# Allegro board RK3588S_Tablet_Demo_LP4XD200P232SD10H2_V11_20220218.brd (continued)
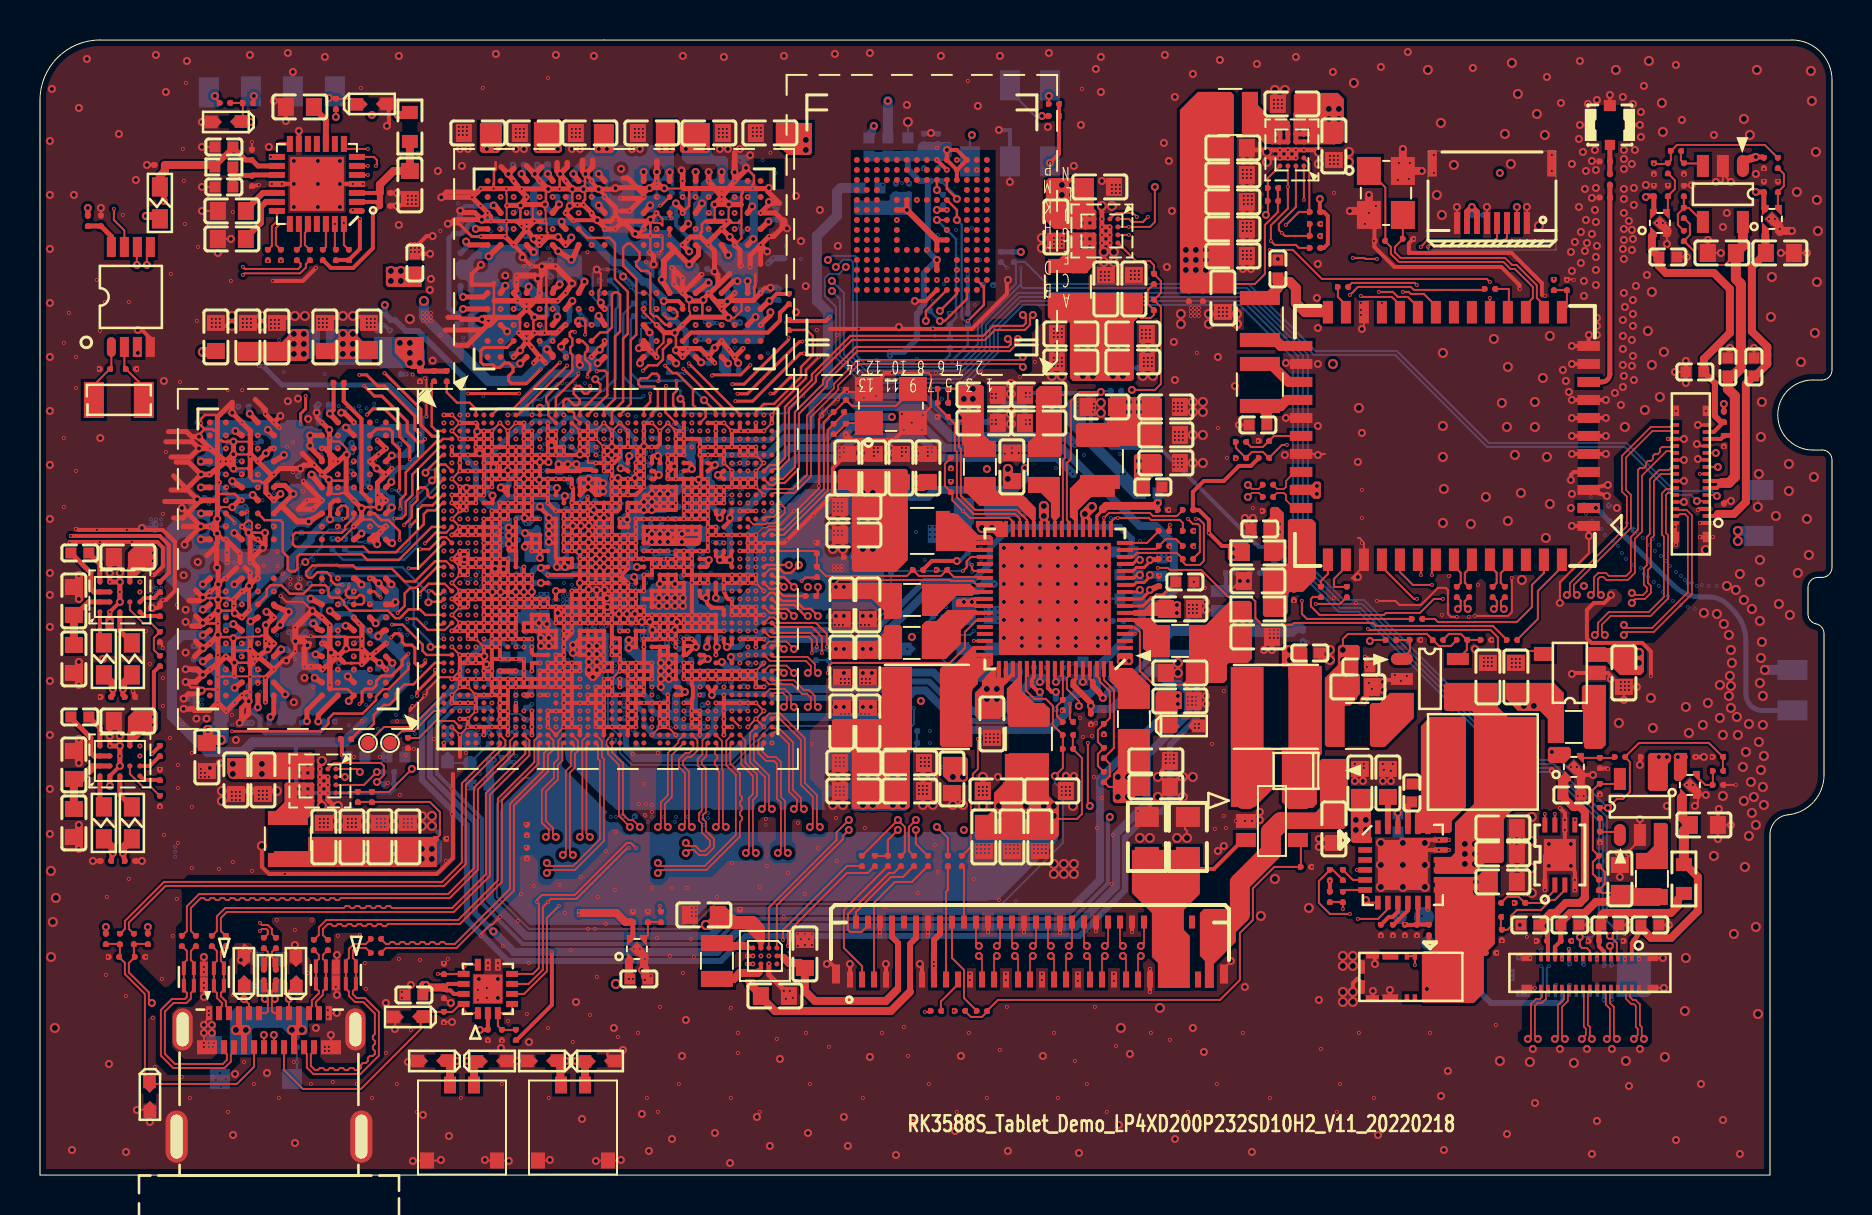
[diagram p0: board, top side]
## Routing (per net, layer and track width the routed paths; a pad name or vN(x,y) marks a point on that pad's centre or on a via; arc(x,y) is an arc through that point) (continued)
VSEL4: length 27.1
  S03 w0.075: 42.04,26.65 36.17,26.65 36.12,26.7 36.12,26.7 36.01,26.8 34.99,26.8 v1(34.19,27.6)
  S03 w0.1: v1(57.69,31.4) 57.69,31.22 56.12,29.65 54.49,29.65 54.04,29.2 47.99,29.2 47.84,29.05 47.84,28.46 47.44,28.06 46.94,27.56 46.94,27.4 46.94,27.4 46.94,26.56 46.74,26.35 42.88,26.35 42.64,26.35 42.34,26.65 42.04,26.65
VSEL5: length 20.9
  TOP w0.1: v1(51.49,23.55) 51.49,22.8 R2242.1
  S03 w0.075: v1(34.99,27.2) 35.24,26.95 36.08,26.95 36.18,26.85 42.41,26.85 42.41,26.85 42.49,26.85 42.69,27.05
  S03 w0.1: v2(45.89,24.55) 45.89,24.3 46.89,23.3 51.24,23.3 v1(51.49,23.55) ; v2(45.89,26.7) 45.34,27.25 42.89,27.25 42.69,27.05
  S06 w0.1: v2(45.89,24.55) v2(45.89,26.7)
VSEL6: length 47.9
  TOP w0.1: v1(63.19,48.75) U2301.A1 ; v1(39.09,26.1) 39.09,26.91 38.6,27.4 36.79,27.4 U1000.AG42
  S03 w0.09: v1(39.09,26.1) 39.42,25.78 41.82,25.78
  S03 w0.1: 41.82,25.78 41.83,25.78 42.54,25.78 42.72,25.95 46.9,25.95 47.34,26.39 47.34,27.4 47.84,27.9 47.84,27.9 48.05,28.1 53.86,28.1 54.46,28.7 55.74,28.7 56.29,29.25 58.94,31.91 58.94,33.55 61.05,35.65 62.39,35.65 63.29,36.56 63.29,48.65 v1(63.19,48.75)
WIFI_REG_ON: length 1.9
  TOP w0.1: U6300.15 73.44,43.19 73.44,44.3 R6316.2
WIFI_REG_ON_H: length 56.8
  TOP w0.1: v1(65.49,44) 65.59,44.1 65.61,44.1 65.69,44.19 65.69,44.2 65.89,44.4 68.54,44.4 68.69,44.25 72.19,44.25 R6316.1
  S03 w0.075: v1(35.79,26) 36.04,25.75 36.04,25.04 37.13,23.95 37.44,23.95
  S03 w0.1: v1(65.49,44) 65.54,43.95 65.54,34.9 65.74,34.7 65.74,30.6 65.54,30.4 65.54,28.39 63.8,26.65 57.04,26.65 53.89,23.5 52.99,23.5 52.69,23.8 49.48,23.8 48.38,24.9 44.24,24.9 43.59,24.25 42.19,24.25 41.89,23.95 37.44,23.95
WIFI_WAKE_HOST_H: length 50.6
  TOP w0.1: U6300.16 v1(72.49,43.85) ; v1(61.49,46.25) 62.64,46.25 64.09,44.8 72.34,44.8 v1(72.49,44.65)
  S03 w0.075: 36.64,31.75 36.48,31.75 36.38,31.65 36.31,31.65 36.31,31.65 36.21,31.65 36.02,31.46 35.98,31.46 35.82,31.3 35.82,31.3 35.77,31.25 35.44,31.25 v1(34.99,30.8)
  S03 w0.1: 36.64,31.75 37.91,31.75 38.21,32.05 41.94,32.05 45.84,35.95 53.36,35.95 53.76,36.35 59.29,36.35 61.04,38.11 61.04,45.8 v1(61.49,46.25) ; v1(72.49,43.85) v1(72.49,44.65)
XIN: length 13.1
  TOP w0.1: Y1100.3 42.79,38.45 40.61,38.45 ; 40.61,38.45 C1112.1 ; 40.61,38.45 40.6,38.45 40.3,38.75 39.7,38.15 R1102.2 39.18,37.64 39.18,36.76 39.19,36.75 39.19,34.3 37.18,32.28 36.48,32.28 36.2,32 U1000.T41
XIN_WIFI: length 11.3
  TOP w0.1: U6300.13 75.19,43.5 74.84,43.85 74.84,44.49 73.83,45.5 73.61,45.5 73.26,45.85 68.03,45.85 67.74,46.14 67.74,46.4 C6314.1 Y6300.3
XOUT: length 8
  TOP w0.1: R1102.1 40.19,38.06 R1100.2 39.38,37.25 39.38,36.85 39.39,36.84 39.39,34.21 37.18,32 U1000.T42
XOUT_WIFI: length 13.8
  TOP w0.1: Y6300.1 67.27,49.38 67.27,46.73 C6315.1 67.54,46.4 67.54,46.05 67.94,45.65 73.17,45.65 73.52,45.3 73.74,45.3 74.64,44.4 74.64,43.85 74.29,43.5 U6300.14
N25387558: length 1.5
  TOP w0.25: C6303.1 C6300.1 J9.1
N25387568: length 10.8
  TOP w0.25: U6300.9 78.09,39.65 arc(78.38,39.77) 78.49,40.05 C6306.1 C6303.2
N25387586: length 2.4
  TOP w0.5: U6300.28 62.43,39.65 61.53,40.55 L6301.1
N25387590: length 3.6
  TOP w0.5: 61.34,38.44 62.03,38.44 62.34,38.75 U6300.29 ; 61.34,38.44 60.99,38.44 ; 61.34,38.44 61.34,38.1 ; 61.34,38.1 C6320.1 ; 61.34,38.1 L6301.2
N25387712: length 14.5
  BOTTOM w0.25: 79.28,31.88 C6304.1 ; 79.28,31.88 79.3,31.86 81.7,29.46 arc(82.32,29.05) 83.04,28.9 83.44,28.9 arc(83.95,28.8) 84.38,28.51 84.66,28.24 arc(85.13,27.53) 85.29,26.7 85.29,24.05 arc(85.54,23.47) 86.12,23.23 J12.1 ; 79.28,31.88 C6301.1
N25387764: length 1.4
  TOP w0.25: v5(77.79,33.35) U6300.2
  BOTTOM w0.25: C6304.2 78.08,33.08 C6307.1 78.03,33.11 v5(77.79,33.35)
N25388000: length 2.2
  TOP w0.5: U6300.26 62.03,41.45 61.73,41.75 L6300.2
N25388004: length 5.3
  TOP w0.5: L6300.1 61.39,43.85 61.89,44.35 C6313.1 62.09,44.65 62.49,44.65 62.79,44.35 62.79,43.6 63.26,43.14 U6300.25
N26121442: length 2.4
  TOP w0.1: R4638.2 87.19,50.05 87.19,49.45 C4626.1 86.89,48.28 86.92,48.25
N26121973: length 2.4
  TOP w0.1: 81.32,48.05 81.39,48.13 C4627.1 81.74,49.3 81.74,49.73 R4639.2
N26122105: length 3.2
  TOP w0.1: R4651.1 R4645.2 ; R4645.2 82.44,48.35 U4602.4 ; R4645.2 81.89,48.05 81.89,47.5 C4629.2
N26122217: length 1.8
  TOP w0.1: R4644.2 82.04,50.73 C4631.1 82.2,50.58 83.14,50.58 U4602.3
N26125088: length 1.7
  TOP w0.1: R4733.2 78.69,20.85 C4724.1 77.02,20.85 U4700.N3
N26125215: length 6.5
  TOP w0.1: R4735.1 77.64,15.05 77.64,15.65 C4721.2 77.64,16.25 77.64,19.25 77.94,19.55 R4736.1 78.74,19.55 U4701.5
N26125229: length 1.6
  TOP w0.5: L4700.1 80.69,15.8 80.84,15.8 80.99,15.95 U4701.3
N26125328: length 1.8
  TOP w0.1: U4701.1 78.84,17.15 C4725.1 R4734.2
N26125462: length 1.7
  TOP w0.1: 82.82,19.95 83.27,19.5 C4731.1 R4740.2
N26153142: length 1.6
  TOP w0.1: v5(14.44,53.85) 14.49,53.8 R9205.2 15.69,53.8 D9202.1
N26273886: length 0.5
  TOP w0.1: R9200.2 8.74,53.85 v5(8.74,53.95)
N27010371: length 1.1
  S03 w0.2: v2(46.84,44.5) v1(46.84,45.25)
  S08 w0.2: v3(47.14,44.5) v2(46.84,44.5)
N27010421: length 6.9
  TOP w0.1: U4000.H5 v5(44.84,47.75)
  BOTTOM w0.122: v5(44.84,47.75) 45.81,46.79 45.81,42.86 R4006.1 R4005.2
N28612539: length 5.8
  BOTTOM w0.2: 75.84,8.6 75.99,8.6 76.12,8.73 J7014.4
  BOTTOM w0.3: 75.84,8.6 72.54,8.6 C7022.1 71.89,9.2 R7012.2
N28612838: length 3.2
  TOP w0.25: U7000.17 10.64,50 C7003.1 10.57,49.98 9.64,49.98
  TOP w0.4: R7000.2 C7004.1
N28612860: length 1.5
  TOP w0.1: U7000.24 13.39,47.25 13.24,47.1 13.24,46.5 C7009.1
N28612862: length 2
  TOP w0.1: C7011.1 11.79,46.5 11.79,47.35 11.99,47.55 U7000.22
N28612867: length 2.1
  TOP w0.1: C7012.1 11.59,46.45 11.59,47.44 11.84,47.69 U7000.21
N28612875: length 2
  TOP w0.3: U7000.19 11.14,49.1 10.29,48.25 C7014.1
N28612877: length 2.1
  TOP w0.3: C7015.1 13.69,53.35 14.29,52.75 U7000.10
N28612881: length 2.8
  TOP w0.3: U7000.20 11.29,48.65 11.04,48.4 11.04,47.6 10.29,46.85 C7013.1
N28613427: length 1.4
  TOP w0.1: U7000.23 12.94,47.3 13.04,47.2 13.04,46.45 C7010.1
N29482643: length 0.8
  S03 w0.064: v1(30.81,43.34) 30.79,43.34 30.76,43.3 30.75,43.3 v2(30.49,43.04)
  S08 w0.066: v2(30.49,43.04) 30.44,43 v3(30.18,43)
N29482645: length 0.8
  S03 w0.064: v1(30.79,44.08) 30.78,44.07 30.78,44.05 30.58,43.86 v2(30.58,43.86)
  S08 w0.066: v3(30.26,43.54) v2(30.58,43.86)
N29482655: length 6.3
  TOP w0.203: R3803.1 37.01,43.12 36.99,43.12 36.99,42.72 36.4,42.13 32.55,42.13 U3801.T2
N29482661: length 1
  TOP w0.279: U3801.G2 26.05,41.48 v5(26.05,41.42)
  BOTTOM w0.254: v5(26.05,41.42) 26.05,41.39 26.05,41.32 26.32,41.06 R3802.2
N29482667: length 1.9
  TOP w0.254: U3801.A5 22.18,43.9 v5(21.16,43.9)
  BOTTOM w0.254: v5(21.16,43.9) 21.03,44.03 R3805.2
N29482669: length 1.8
  TOP w0.254: U3801.A8 21.48,46.5 21.31,46.67 v5(21.31,46.67)
  BOTTOM w0.254: R3807.2 21.31,46.36 v5(21.31,46.67)
N29584131: length 1
  S03 w0.064: v2(14.55,29.13) 14.62,29.2 14.84,29.2 v1(14.87,29.23)
  S08 w0.066: v3(14.14,29.56) 14.55,29.16 v2(14.55,29.13)
N29584146: length 0.8
  S03 w0.064: v1(14.09,29.18) 13.94,29.33 v2(13.73,29.33)
  S08 w0.066: v3(13.48,29.56) 13.5,29.56 v2(13.73,29.33)
N29591638: length 4.3
  TOP w0.1: R5517.2 43.14,14.9 42.55,14.9 40.8,13.15 40.8,12.65
N29591655: length 7
  TOP w0.1: J5500.3 41.1,10.44 40.19,11.35 40.19,13.25 R5515.2
N29591672: length 5.8
  TOP w0.1: 41.4,12.65 41.4,12.48 41.08,12.15 40.49,12.15 40.39,12.25 40.39,13.04 42.45,15.1 42.69,15.1 R5516.2
N29591677: length 7.3
  TOP w0.1: J5500.5 41.7,13.61 42.75,14.65 43.59,14.65 R5518.2
N29592152: length 5.7
  TOP w0.1: R5512.2 45.39,14.25 45.3,14.15 J5500.17
N29592181: length 1.9
  TOP w0.1: R5513.2 45.04,8.68 45.9,9.53 J5500.19
N29592186: length 2.8
  TOP w0.1: R5511.2 46.2,15.35 46.2,12.65
N29597431: length 0.4
  TOP w0.1: v5(10.69,53.95) 10.64,53.9 R9201.1
N29609736: length 1
  S03 w0.064: v1(27.58,43.3) 27.53,43.35 v2(27.53,43.65)
  S08 w0.066: v3(27.97,44.06) 27.56,43.65 v2(27.53,43.65)
N29609761: length 0.8
  S03 w0.064: v2(27.73,44.46) 27.58,44.31 v1(27.58,44.1)
  S08 w0.066: v2(27.73,44.46) 27.97,44.7 v3(27.97,44.72)
N29617180: length 23.8
  TOP w0.1: U5602.4 63.04,16.6 R5620.1 61.71,15.4 60.64,14.33 60.64,12.75 59.99,12.1 59.99,9.75 58.99,8.75 47.89,8.75 R5617.2 47.34,8.15 47.09,7.9 46.54,7.9 R5605.2
N29617809: length 2
  TOP w0.2: J7012.D1 35.39,11.35 35.29,11.45
  TOP w0.4: 35.29,11.45 33.84,11.45 L6302.1
N29617812: length 2.7
  TOP w0.2: J7012.C3 36.04,10.25 35.94,10.15
  TOP w0.4: 35.94,10.15 35.89,10.1 34.99,10.1 34.69,9.8 L6302.2
N29669706: length 3.3
  TOP w0.25: U7004.B3 U7004.A3 2.69,20.95 2.54,21.1 2.54,21.85 1.52,22.88 1.54,22.88 C9617.1
N29669708: length 1.7
  TOP w0.25: C9617.2 2.99,22.35 U7004.A4
N29669714: length 3.2
  TOP w0.25: U7005.B3 U7005.A3 2.69,29.15 2.54,29.3 2.54,30.1 C9620.1
N29669716: length 1.7
  TOP w0.25: C9620.2 2.99,30.55 U7005.A4
N29669830: length 3.6
  TOP w0.25: 2.64,20.4 2.69,20.45 U7004.A2 U7004.B2
  TOP w0.4: 2.64,20.4 2.04,19.8 C9618.1 C9619.1
N29669850: length 3.7
  TOP w0.25: 1.69,27.93 2.42,28.65 U7005.A2 U7005.B2
  TOP w0.4: C9623.1 C9622.1 1.74,28
N29669900: length 3.8
  TOP w0.1: R9691.2 5.69,26.25 5.69,26.85 R9690.2 5.54,27.6 5.15,27.6 4.49,28.26 U7005.D2
N29669948: length 2.4
  TOP w0.1: R9689.2 5.54,19.4 5.15,19.4 4.49,20.06 U7004.D2
N29669993: length 1.2
  TOP w0.2: U7004.E2 5.49,20.45 C7029.2
N29670012: length 1.2
  TOP w0.2: C9624.2 5.69,28.85 5.19,28.85 U7005.E2
N29670042: length 1.8
  TOP w0.25: FB7002.1 3.99,19 U7004.C1
N29670044: length 25.5
  TOP w0.25: C7036.1 v5(4.14,16.1)
  TOP w0.4: 21.7,5.42 J7001.1 ; 21.7,5.42 21.7,5.7 21.97,5.7 21.96,5.7 v5(21.34,5.7) ; 21.7,5.42 ED7006.1 ; v5(4.14,16.1) 4.14,16.35 FB7002.2
  S08 w0.4: v5(21.34,5.7) 21.34,5.97 14.81,12.5 7.55,12.5 4.14,15.91 v5(4.14,16.1)
N29670078: length 1.8
  TOP w0.25: FB7006.1 3.99,27.2 U7005.C1
N29670080: length 39.1
  TOP w0.1: 27.37,5.7 27.37,5.7
  TOP w0.25: C9627.1 4.14,24 v5(4.14,24.3)
  TOP w0.4: FB7006.2 4.14,24.55 v5(4.14,24.3) ; 27.37,5.7 27.25,5.59 27.25,5.57 ; 27.25,5.57 J7013.1 ; 27.25,5.57 ED7010.1 ; 27.37,5.7 v5(26.79,5.7)
  S08 w0.4: v5(26.79,5.7) 26.79,6.1 24.54,8.35 22.6,8.35 16.95,14 8.39,14 4.79,17.6 3.59,17.6 2.94,18.25 2.94,22.31 4.14,23.51 v5(4.14,24.3)
N29670104: length 1.1
  TOP w0.2: C7031.2 5.19,19.75 U7004.E1
N29670110: length 1.1
  TOP w0.2: U7005.E1 5.19,27.95 C9625.2
N29670112: length 1.6
  TOP w0.25: FB7003.1 2.99,18.6 U7004.A1
N29670118: length 1.6
  TOP w0.2: FB7007.1 2.99,26.8 U7005.A1
N29670126: length 25.5
  TOP w0.25: C7035.1 v5(3.64,16.1)
  TOP w0.4: 20.5,5.45 20.5,5.69 20.24,5.69 20.23,5.7 20.24,5.7 v5(20.84,5.7) ; 20.5,5.45 J7001.2 ; 20.5,5.45 ED7007.1 ; FB7003.2 3.64,16.35 v5(3.64,16.1)
  S08 w0.4: v5(20.84,5.7) 20.84,5.76 14.6,12 7.34,12 3.64,15.7 v5(3.64,16.1)
N29670132: length 39.6
  TOP w0.25: C9626.1 3.64,24 v5(3.64,24.3)
  TOP w0.4: 26.02,5.44 26.02,5.7 25.74,5.7 25.74,5.7 v5(26.29,5.7) ; 26.02,5.44 26.02,4.53 J7013.2 ; 26.02,5.44 ED7011.1 ; FB7007.2 3.64,24.55 v5(3.64,24.3)
  S08 w0.4: v5(3.64,24.3) 3.64,23.72 2.44,22.52 2.44,18.04 3.38,17.1 4.58,17.1 8.18,13.5 16.74,13.5 22.39,7.85 24.34,7.85 26.29,5.9 v5(26.29,5.7)
N29786974: length 1.6
  TOP w0.1: U7006.N3 30.39,11.98 C9630.1 R9694.2
N30019538: length 7.6
  TOP w0.1: R9698.2 41.39,15.1 40.35,15.1 37.39,12.15 37.39,11.5 37.37,11.48 v1(37.39,11.45)
  S03 w0.1: v1(36.44,10.95) 36.94,11.45 v1(37.39,11.45)
N30019585: length 7.2
  TOP w0.1: v1(37.14,11.75) 37.14,12.25 40.34,15.45 R9699.2
  S03 w0.1: v1(36.04,10.95) 36.84,11.75 v1(37.14,11.75)
N30089984: length 2.5
  BOTTOM w0.1: R1513.2 22.02,21.13 TP5610.1 20.54,20.6 D9203.1
N30091084: length 3.1
  TOP w0.1: Y2100.1 5.19,39.4 C2125.1 4.22,40.38 U2102.2
N30091091: length 3
  TOP w0.1: Y2100.2 2.69,39.5 C2124.1 3.57,40.38 U2102.1
N30143913: length 4.8
  TOP w0.1: TP9114.1 17.2,22.4 18.59,22.4 U1000.AT1
N30544599: length 1.5
  TOP w0.3: U2501.23 C2505.1
N30544653: length 2.9
  TOP w0.5: L2500.1 70.39,19.55 C2506.1
N30544707: length 1.3
  TOP w0.3: U2501.21 68.39,18.45 C2506.2
N30544750: length 1.3
  TOP w0.1: U2501.5 65.64,14.75 R9685.2
N30544769: length 1.2
  TOP w0.1: U2501.6 66.26,14.25 65.24,14.25 R9686.2
N30544817: length 1.6
  TOP w0.2: R9687.2 67.44,12.9 67.63,12.9 67.89,13.17 U2501.9
N30544819: length 3.1
  TOP w0.2: R2504.2 69.42,12.53 68.87,12.53 R2509.1 68.82,12.5 ; 68.82,12.5 68.89,12.58 U2501.11 ; 68.82,12.5 R2508.1
  S03 w0.2: v2(68.24,12.95) v1(68.24,12.55)
  S08 w0.2: v3(67.94,12.95) v2(68.24,12.95)
  BOTTOM w0.1: TP2502.1 v3(67.94,12.95)
N30544874: length 1.1
  TOP w0.1: U2501.12 v1(69.39,13.25)
  S03 w0.1: v2(69.39,12.95) v1(69.39,13.25)
  S08 w0.1: v3(69.09,12.95) v2(69.39,12.95)
  BOTTOM w0.1: TP5611.1 v3(69.09,12.95)
N30544884: length 1.4
  TOP w0.2: U2501.10 68.39,13.23 67.67,12.5 R2507.1
N30546548: length 1.3
  TOP w0.097: R2605.1 11.77,10.28 L2600.3 11.77,10.73 11.59,10.9 11.59,11.15 R2616.2
N30546566: length 1.3
  TOP w0.097: R2607.1 11.22,10.28 L2600.1 11.22,10.78 11.39,10.95 11.39,11.15 R2617.2
N30547988: length 2.7
  TOP w0.1: R2615.1 C2616.1 22.89,7.45 U2600.3 23.48,8.09 23.6,8.21 U2600.4
N30550891: length 3.5
  TOP w0.1: U2000.2 75.74,14.25 75.09,13.6 C2006.1 73.94,13.9 73.34,13.9 R9680.2
N30550938: length 5.2
  TOP w0.1: R2002.2 73.04,12.3 C2007.1 73.37,12.25 73.54,12.43 73.54,12.95 73.84,13.25 75.04,13.25 75.54,13.75 75.74,13.75 76.24,14.25 U2000.3
N30600922: length 2.7
  TOP w0.119: U1000.A5 21.79,38.31 21.49,38.61 20.85,38.61 20.34,39.13 R1202.1
N30600936: length 6.6
  TOP w0.122: U1000.AM1 19.74,25.6 18.67,24.53 18.22,24.53 17.79,24.1 17.79,23.82 17.47,23.5 17.2,23.5 16.69,23 16.69,22.57 16.43,22.3 16.05,22.3 R1200.1
N30601110: length 3
  TOP w0.119: U1000.C1 19.82,37.2 19.58,37.44 19.58,39.58 R1201.1
N30601240: length 6.8
  TOP w0.122: U1000.A40 35.79,38.15 36.19,38.55 36.7,38.55 38.05,39.9 38.05,40.4 38.64,40.99 38.64,41.95 38.34,42.25 R1203.1
N30696429: length 3.4
  TOP w0.1: U1000.AV1 19.7,23.2 18.7,22.2 18.1,22.2 TP9113.1
N30910269: length 3
  TOP w0.15: U2200.8 55.15,28.45 55.57,28.88 55.69,28.88 55.82,29 56.14,29 C2265.1
N30961579: length 9.8
  TOP w0.24: U2302.D4 U2302.E4 ; U2302.D4 13.59,18.7 13.6,18.7 ; U2302.D4 U2302.D3 U2302.E3 ; U2302.E4 U2302.E3 ; U2302.E4 13.19,18.7 ; U2302.E4 12.74,19.1 ; 12.79,19.5 12.34,19.5 12.34,18.59 11.74,17.99 11.74,17.84 13.23,17.84 13.6,18.2 13.6,18.7 ; 12.79,19.5 12.74,19.45 12.74,19.1 ; 12.79,19.5 U2302.E3 ; 13.6,18.7 13.19,18.7 ; 12.74,19.1 12.74,18.7 13.19,18.7
N30962042: length 1.8
  TOP w0.1: U2303.1 68.49,26.2 C2328.1 R2312.2
N30962062: length 3.3
  TOP w0.1: R2313.2 71.34,26.25 U2303.5 ; R2313.2 R2314.1 ; R2313.2 71.04,27.05 70.44,27.05 C2325.2
N30962978: length 4.4
  TOP w0.24: 61.59,52.05 61.59,51.65 U2301.D4 ; 61.59,52.05 61.59,52.45 61.99,52.45 ; 61.59,52.05 U2301.E4 ; U2301.E4 61.99,52.45 ; U2301.E4 U2301.D4 ; 61.99,52.45 62.39,52.45 U2301.E3 U2301.D3 U2301.D4
N30963105: length 9.5
  TOP w0.24: U2300.E4 52.7,46.6 52.7,45.65 52.25,45.2 51.63,45.2 51.39,45.44 ; U2300.E4 51.74,46.6 51.49,46.35 ; U2300.E4 U2300.E3 ; U2300.E4 52.29,46.15 51.64,46.15 51.39,45.91 L2300.1 51.39,45.44 ; 51.49,46.35 51.49,46.85 51.64,47 U2300.E3 ; 51.49,46.35 51.49,46.16 51.08,45.75 51.39,45.44 ; U2300.E3 U2300.D3 U2300.D4
N31111592: length 2.4
  TOP w0.1: 36.49,29.3 U1000.AB41
  TOP w0.122: 36.49,29.3 36.82,29.3 37.17,28.95 R1309.1
N32124849: length 1.7
  BOTTOM w0.2: R2310.1 R2359.2 61.69,29.4 U2304.4
N32124977: length 1
  BOTTOM w0.2: U2304.3 59.29,29.4 R2311.1
N63380616: length 0.8
  S03 w0.064: v2(14.34,32.17) 14.34,32.18 14.14,32.38 14.13,32.38 v1(14.12,32.39)
  S08 w0.066: v3(14.66,31.86) v2(14.34,32.17)
N63380618: length 0.8
  S03 w0.064: v1(14.86,32.4) 14.86,32.39 14.89,32.35 14.89,32.34 v2(15.15,32.08)
  S08 w0.066: v2(15.15,32.08) 15.2,32.04 v3(15.2,31.77)
N63380732: length 6.4
  TOP w0.203: R3801.1 15.18,39.33 15.19,39.33 15.19,38.69 16.07,37.81 16.07,34.15 U3800.T2
N63380738: length 1.1
  TOP w0.279: 16.49,27.88 16.78,27.59 v5(16.78,27.58)
  BOTTOM w0.254: R3800.2 17.11,27.91 v5(16.78,27.58)
N63380744: length 1.9
  TOP w0.254: v5(13.35,22.69) 13.35,23.23 U3800.A5
  BOTTOM w0.254: v5(13.35,22.69) 13.28,22.62 R3804.2
N63380746: length 1.4
  TOP w0.254: U3800.A8 11.69,23.08 11.52,22.9 v5(11.52,22.9)
  BOTTOM w0.254: R3806.2 11.48,22.85 v5(11.52,22.9)
N64919975: length 2
  TOP w0.1: R1100.1 39.79,37.05 C1111.1 40.34,37.6 Y1100.1

## Copper pours and planes (outline as drawn; the poured copper is in the pictures)
AVDD1V8_DDR_PLL_S0 on BOTTOM (solid shape): 28.99,24.9 29.13,24.9 29.15,24.9 29.23,24.86 29.32,24.85 29.34,24.85 29.81,24.39 29.81,24.38 29.86,24.31 29.93,24.26 29.94,24.26 29.99,24.2 30.19,24.2 30.38,24.01 30.42,23.97 30.46,23.94 30.69,23.7 30.69,23.6 30.69,23.4 30.89,23.2 31.49,23.2 31.59,23.3 31.59,24 31.89,24.3 32.29,24.3 32.39,24.2 32.39,24 32.09,24 31.99,23.9 31.99,22.9 32.29,22.6 32.29,22.2 32.09,22.2 31.39,22.9 30.75,22.9 30.71,22.93 30.65,22.95 30.39,23.2 30.39,23.6 30.09,23.9 30.06,23.9 30.05,23.91 29.98,23.93 29.9,23.93 29.87,23.92 29.39,24.4 29.19,24.4 29.13,24.34 29.08,24.32 29.04,24.3 28.9,24.3 28.89,24.35 28.81,24.5 28.65,24.56 28.57,24.59 28.54,24.66 28.54,24.75 28.58,24.83 28.66,24.85 28.76,24.86 28.85,24.9 28.87,24.9
AVDD1V8_DDR_PLL_S0 on BOTTOM: 15.49,21.3 13.19,21.3 13.09,21.2 13.09,20 13.39,19.7 14.59,19.7 15.09,20.2 15.39,20.2 15.59,20.4 15.59,21.2
GND on S03 (solid shape): 59.92,17.6 60.03,17.62 60.09,17.53 60.09,17.07 58.82,15.8 58.37,15.8 58.27,15.86 58.29,15.97
GND on S03 (solid shape): 54.19,15.1 58.73,15.1 58.82,15.04 58.8,14.93 58.63,14.75 46.95,14.75 46.86,14.82 46.88,14.93 47.76,15.8 53.48,15.8
GND on S03 (solid shape): outline of 97 points within 26.29,12.76 28.19,22.2
VBUS_TYPEC on TOP (solid shape): 66.54,16.6 65.64,16.6 65.54,16.7 65.54,19.3 66.54,19.3
VBUS_TYPEC on BOTTOM (solid shape): 13.39,8.2 13.39,7.1 13.29,7 12.44,7 12.09,7.35 11.74,7.35 11.69,7.36 11.65,7.35 11.24,7.35 11.19,7.36 11.15,7.35 10.69,7.35 10.59,7.25 10.59,6.1 10.49,6 9.59,6 9.49,6.1 9.49,8.1 9.79,8.4 13.19,8.4
VBUS_TYPEC on S06: 8.84,4.05 9.54,3.35 70.19,3.35 73.29,6.45 73.29,18.7 72.59,19.4 64.49,19.4 64.09,19 64.09,17.7 63.64,17.25 42.85,17.25 38.85,13.25 23.44,13.25 23.04,13.65 19.24,13.65 18.09,14.8 9.69,14.8 8.84,13.95 ; 1 cut-out
VCC1V8_PMU_DDR_S3 on TOP (solid shape): 38.59,51.1 38.49,51 37.39,51 36.79,51.6 36.79,52.6 38.59,52.6
VCC1V8_PMU_DDR_S3 on BOTTOM (solid shape): 52.29,38.75 52.29,37.2 54.99,34.5 55.19,34.5 55.29,34.4 55.29,33.8 54.69,33.8 53.89,34.6 53.89,34.9 52.09,36.7 52.09,36.85 51.99,36.95 51.94,36.95 51.24,37.65 51.24,38.05 51.29,38.1 51.29,38.6 51.54,38.85 52.19,38.85
VCC1V8_PMU_DDR_S3 on S06: 48.99,44.65 48.99,38.2 49.69,37.5 53.69,37.5 54.09,37.9 54.09,45.5 46.09,53.5 38.39,53.5 37.89,53 37.89,50 38.24,49.65 43.99,49.65
VCC3V3_FLASH on BOTTOM (solid shape): 43.59,48.1 43.49,48 40.79,48 40.69,48.1 40.69,48.7 42.39,48.7 42.49,48.8 42.49,49 42.64,49.15 43.59,49.15
VCC3V3_PCIEWL_VBAT on TOP (solid shape): 63.79,32.6 63.79,29.8 63.14,29.15 62.49,29.15 62.39,29.05 62.39,28.79 62.39,28.64 62.39,28.62 62.39,28.1 62.19,27.9 61.24,27.9 61.15,28 61.15,28.68 61.14,28.68 61.14,30.25 61.39,30.5 62.29,30.5 62.39,30.6 62.39,32.7 62.49,32.8 63.59,32.8
VCC_1V1_NLDO_S3 on TOP (solid shape): 65.99,26.4 65.99,25.94 65.99,25.9 65.99,25.78 65.92,25.78 65.92,25.02 65.99,25.02 65.99,24.04 65.96,24.02 65.93,23.98 65.88,23.91 65.85,23.82 65.85,23.8 65.51,23.47 65.23,23.47 65.23,21.4 64.34,21.4 64.24,21.5 64.24,24.65 64.25,24.65 64.25,24.86 64.89,25.5 64.9,25.75 64.89,25.8 64.89,26.21 64.9,26.25 64.89,26.4 64.99,26.5 65.89,26.5
VCC_1V05 on TOP (solid shape): 79.7,14.35 81.05,14.35 81.09,14.3 81.09,13.55 80.99,13.45 78.42,13.45 78.42,13.88 78.54,14 78.54,14.5 79.7,14.5
VCC_1V8_S0 on BOTTOM (solid shape): 32.79,36.06 32.74,35.9 32.79,35.75 32.79,35.2 32.69,35.1 32.59,35.11 32.49,35.1 32.39,35.2 32.39,35.7 32.09,36 31.73,36 31.69,36.01 31.66,36 31.19,36 31,35.81 30.79,35.8 30.79,36.17 30.8,36.2 30.79,36.4 30.89,36.5 30.93,36.5 32.29,36.5 32.49,36.7 32.79,36.7
VCC_1V8_S0 on S06: 21.49,26.6 20.94,26.05 19.64,26.05 18.29,24.7 18.29,22.1 18.69,22.1 18.89,22.3 18.89,23 19.09,23.2 21.59,23.2 22.19,23.8 22.89,23.8 23.69,24.6 23.99,24.6 24.39,25 24.39,26.4 24.19,26.6
VCC_1V8_S3 on TOP (solid shape): 51.09,36 50.99,35.9 49.39,35.9 49.39,36.6 49.79,37 49.8,37 49.8,38.21 49.79,38.21 49.79,38.4 49.8,38.4 49.8,39.26 49.99,39.45 51.09,39.45
VCC_1V8_S3 on BOTTOM (solid shape): 51.09,38.45 51.09,38.23 51.07,38.23 51.07,38.18 50.92,38.18 50.92,38.03 50.89,38 50.89,37.5 50.79,37.4 50.19,37.4 50.09,37.5 50.09,38.45 50.19,38.55 50.99,38.55
VCC_2V0_PLDO_S3 on TOP (solid shape): 43.09,27.9 42.99,27.8 42.19,27.8 42.19,28.2 41.59,28.8 39.59,28.8 39.59,29.6 43.09,29.6
VCC_3V3_S3 on TOP (solid shape): 60.59,28.6 60.59,25.8 60.39,25.6 59.44,25.6 59.4,25.56 59.39,25.55 59.34,25.5 59.34,24.75 59.19,24.6 57.29,24.6 57.29,25.06 57.3,25.1 57.29,25.15 57.29,25.56 57.3,25.6 57.29,25.81 57.45,25.81 57.45,27.5 58.29,27.5 59.49,28.7 60.49,28.7
VCC_3V3_S3 on BOTTOM (solid shape): 60.94,27.6 63.09,27.6 63.29,27.4 63.29,27.1 62.89,27.1 62.69,26.9 60.29,26.9 59.74,27.45 59.74,27.7 59.84,27.8 60.74,27.8
VCC_BAT on TOP (solid shape): 76.19,24.1 76.19,21.6 75.39,21.6 75.39,22.8 74.99,23.2 73.89,23.2 73.29,23.8 73.29,24.6 75.69,24.6
VCC_BAT on TOP (solid shape): 72.89,14.15 72.74,14 72.74,13.64 72.74,13.6 72.74,13.56 72.74,12.94 72.74,12.9 72.74,12.86 72.74,11.55 72.19,11 72.19,9.1 71.69,8.6 69.19,8.6 69.09,8.7 69.09,11.1 69.19,11.2 69.39,11.2 69.54,11.2 69.74,11.4 69.75,11.55 69.74,11.87 69.74,12.04 69.74,12.46 69.75,12.61 69.74,12.63 69.74,14.9 71.84,14.9 72.09,15.15 72.89,15.15
VCC_SYSIN on TOP (solid shape): 57.04,27.85 55.99,27.85 55.84,28 54.94,28 55.59,28.65 57.04,28.65
VCC_SYSIN on TOP (solid shape): 46.39,20.8 46.39,19.8 46.25,19.66 45.44,19.66 45.14,19.95 45.14,20.9 46.29,20.9
VCC_SYSIN on TOP (solid shape): 5.89,31.3 5.89,30.5 5.79,30.4 5.29,30.4 4.79,29.9 4.39,29.9 4.39,31.1 4.69,31.4 5.79,31.4
VCC_SYSIN on TOP (solid shape): 5.89,23.1 5.89,22.3 5.79,22.2 5.29,22.2 4.79,21.7 4.39,21.7 4.39,22.9 4.69,23.2 5.79,23.2
VCC_SYSIN on TOP (solid shape): 48.29,32.5 48.29,31.9 47.84,31.9 47.64,32.1 47.09,32.1 46.79,32.4 46.79,32.7 48.09,32.7
VCC_SYSIN on TOP (solid shape): 13.59,20.6 12.79,20.6 12.79,19.8 9.64,19.8 9.39,20.05 9.39,20.65 9.59,20.85 10.49,20.85 10.74,21.1 13.59,21.1
VCC_SYSIN on TOP (solid shape): 57.09,24.1 57.09,23.3 56.89,23.3 56.89,22.77 56.88,22.77 56.88,22.19 56.79,22.1 55.89,22.1 55.79,22.2 55.79,24.1 55.89,24.2 56.99,24.2
VCC_SYSIN on TOP (solid shape): 56.09,35.95 56.09,34.95 55.69,34.95 55.53,34.78 55.52,34.78 55.49,34.75 55.49,34.1 54.79,34.1 54.69,34.2 54.69,35.95 54.79,36.05 55.99,36.05
VCC_SYSIN on TOP (solid shape): 34.74,12.95 34.96,12.95 34.99,12.95 35.03,12.95 35.74,12.95 36.19,12.5 36.19,11.6 35.94,11.6 35.24,12.3 33.59,12.3 33.49,12.4 33.49,13.45 34.24,13.45
VCC_SYSIN on TOP (solid shape): 52.69,48.5 52.69,48.45 52.69,48.1 51.99,48.1 51.99,47.3 50.69,47.3 50.29,47.7 50.29,49.7 50.44,49.85 52.69,49.85
VCC_SYSIN on TOP (solid shape): 65.19,53.8 65.19,51.7 65.04,51.55 63.99,51.55 63.94,51.56 63.9,51.55 63.49,51.55 63.49,52.35 62.69,52.35 62.69,54 62.79,54.1 64.89,54.1